# Allegro board reServer J2032_V1.brd (continued)
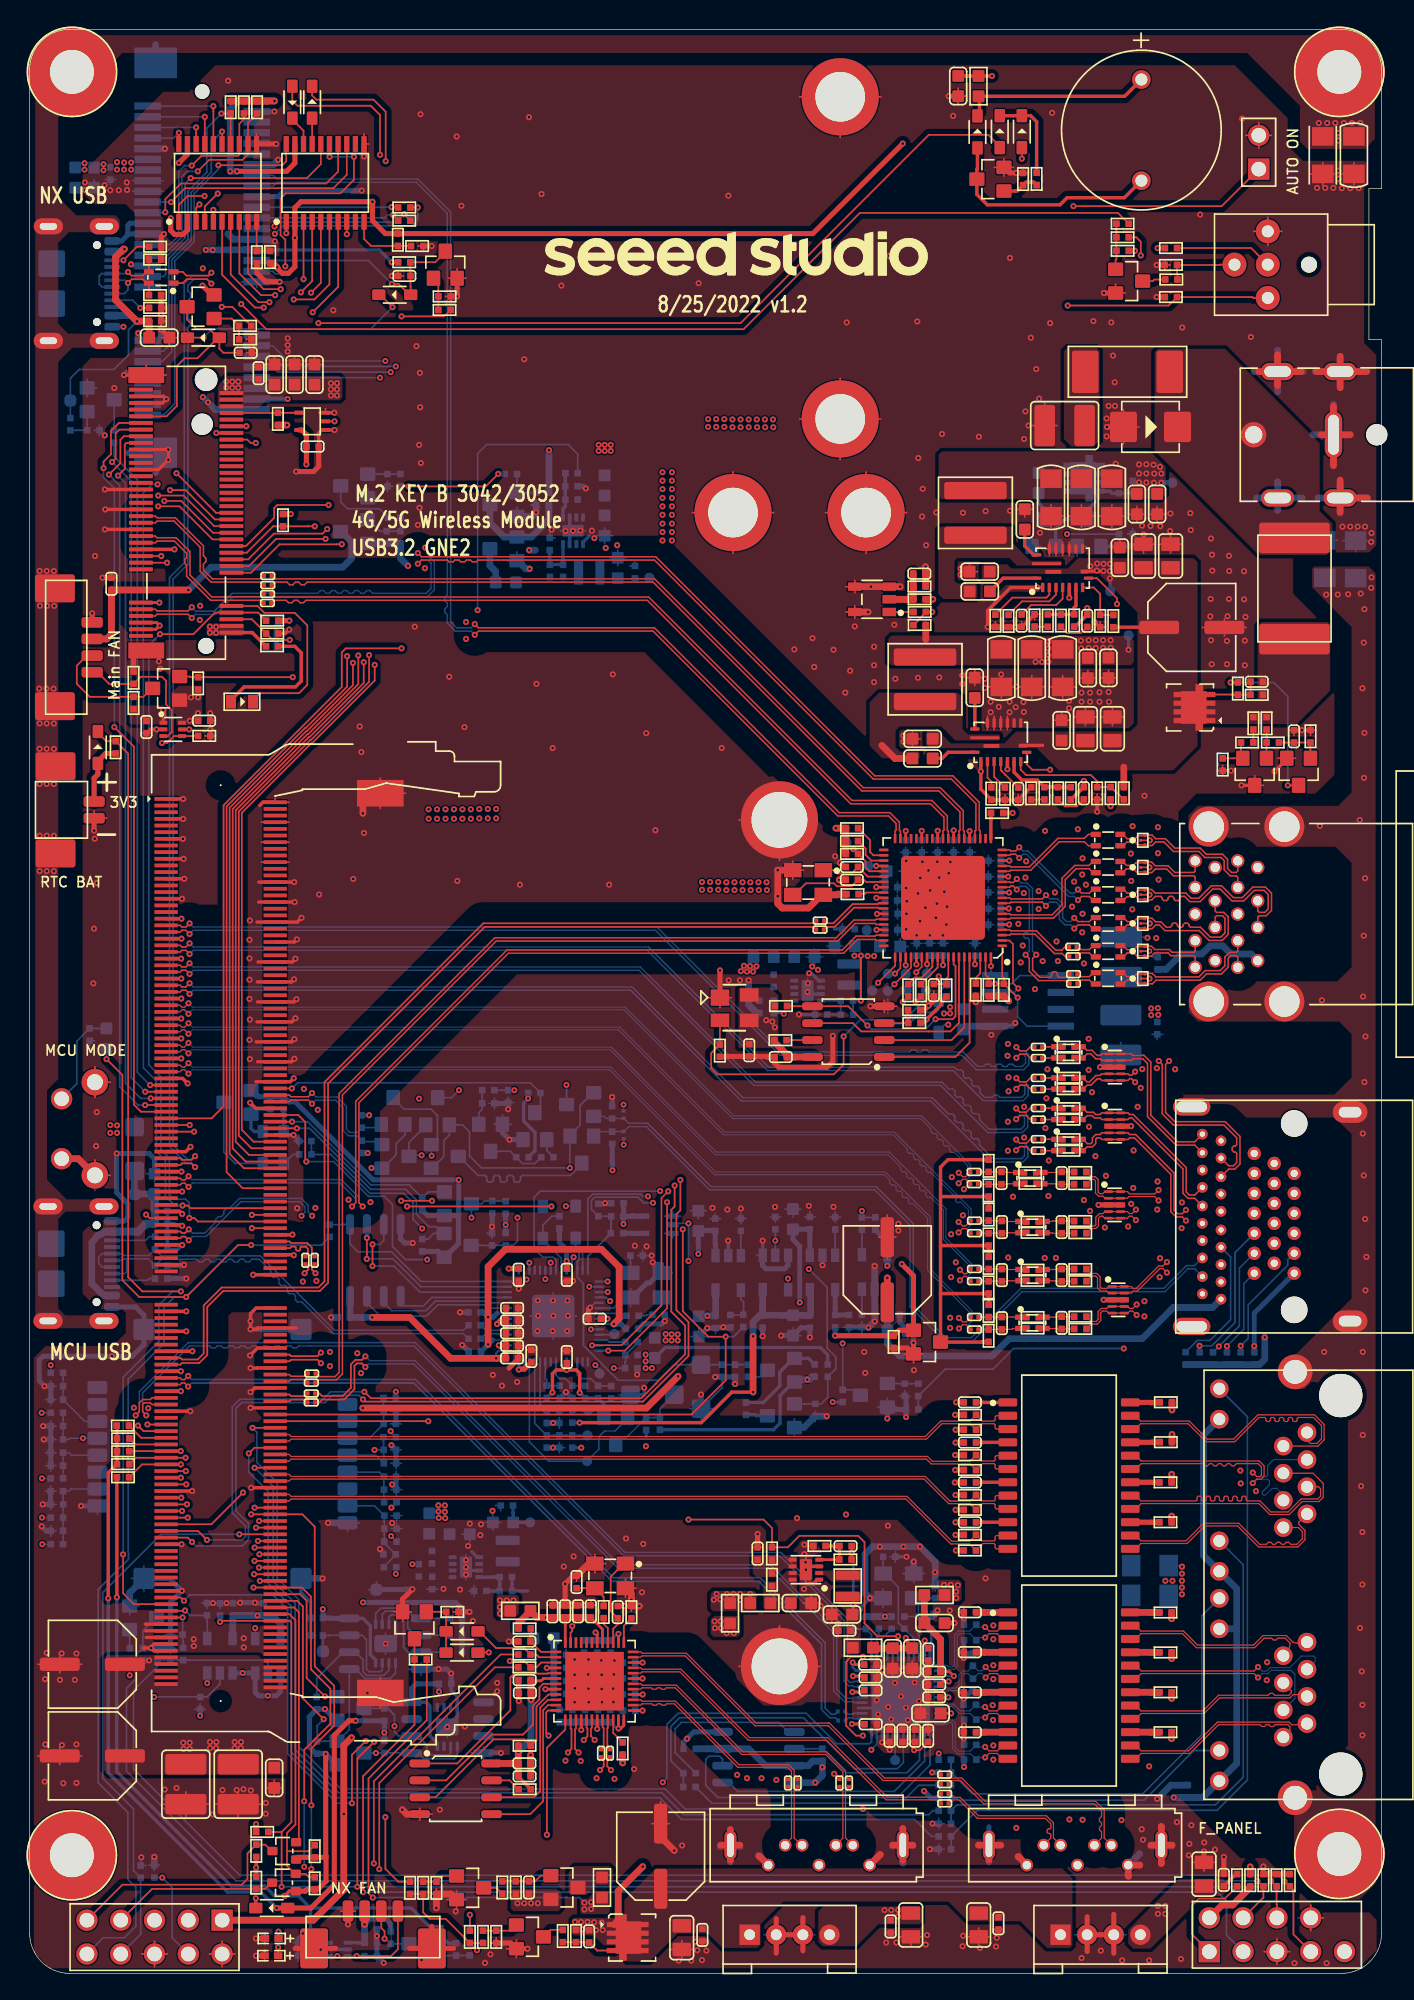
[diagram p0: board, top side]
## Routing (per net, layer and track width the routed paths; a pad name or vN(x,y) marks a point on that pad's centre or on a via; arc(x,y) is an arc through that point) (continued)
VBUSDET: length 4
  TOP w0.127: U17.43 63.79,82.8 63.79,82.8 63.11,82.8 62.82,83.09 62.82,83.54 R116.2 62.26,84.11 v1(61.91,84.46)
  BOTTOM w0.127: v1(61.91,84.46) 61.91,84.46 TP9.1
VDD09: length 16.8
  TOP w0.127: C90.1 66.91,16.77 v1(66.47,16.77)
  TOP w0.203: C102.1 62.02,23.2 v1(61.86,23.36) ; C97.1 67.27,24.7 v1(67.27,25) ; v1(65.85,25.2) 65.85,24.98 66.07,24.76 66.07,24.69 C100.1 ; C92.1 68.68,21.94 v1(69.06,21.94) ; C91.1 62.71,18.72 62.69,18.74 v1(61.8,18.74) ; C96.1 68.47,19.54 v1(69.25,19.54)
  TOP w0.508: FB7.2 63.44,24.42 64.02,24.42 64.03,24.43 C101.1 C100.1 66.35,24.41
  BOTTOM w0.127: U16.28 66.47,18.03 v1(66.47,16.77)
  BOTTOM w0.203: U16.8 66.07,24.98 v1(65.85,25.2) ; U16.11 v1(67.27,25) ; U16.16 v1(69.06,21.94) ; U16.47 62.1,22.74 61.86,22.98 v1(61.86,23.36) ; U16.22 v1(69.25,19.54) ; U16.37 v1(61.8,18.74)
VDD_0V95: length 5.9
  TOP w0.203: R42.1 61.77,31.57 v1(61.78,31.58) C46.1 ; v1(61.9,27.68) 61.89,27.67 61.89,27.04 C50.1
  TOP w0.508: 61.9,26.97 61.89,26.97 C50.1 61.83,26.95 61.87,26.95
  BOTTOM w0.203: v1(61.9,27.68) TP6.1 61.9,31.04 61.78,31.16 v1(61.78,31.58)
VDD_1V05: length 20.5
  TOP w0.152: U17.14 v1(73.54,82.4) ; U17.27 v1(69.44,85.87) ; v1(62.47,73.08) v1(62.47,76.46) ; U17.30 v1(68.24,85.84) ; U17.51 v1(63.68,79.6) ; U17.8 v1(73.58,80) ; U17.67 v1(68.64,75.75) ; U17.48 v1(63.64,80.8) ; U17.33 v1(67.04,85.83) ; U17.5 v1(73.61,78.8) ; U17.36 v1(65.84,85.83) ; U17.54 v1(63.65,78.4) ; U17.11 v1(73.61,81.2)
  BOTTOM w0.152: C134.1 68.24,85.15 v1(68.24,85.84) ; v1(63.65,78.4) 64.29,78.4 C131.1 ; C142.1 72.99,80 v1(73.58,80) ; v1(63.64,80.8) 64.09,80.8 C143.1 ; v1(63.68,79.6) 64.29,79.6 C132.1 ; C136.1 69.44,85.15 v1(69.44,85.87) ; v1(73.61,78.8) 72.99,78.8 C141.1 ; C39.1 61.88,72.63 61.88,72.63 R35.1 v1(62.47,73.08) ; C139.1 72.98,82.4 v1(73.54,82.4) ; v1(65.84,85.83) 65.84,85.15 C138.1 ; v1(67.04,85.83) 67.04,85.15 C133.1 ; C140.1 72.98,81.2 v1(73.61,81.2)
  BOTTOM w0.254: v1(68.64,75.75) 68.64,75.75 C137.1
  BOTTOM w0.508: C135.1 68.63,76.47 C137.1
  vias: v1(61.99,76.46) v1(62.98,76.44) v1(63.46,76.44)
VDD_1V8: length 261.1
  TOP w0.254: v1(19.16,5.82) 19.52,6.18 Q36.1 ; R216.1 v1(6.55,28.25)
  TOP w0.381: 22.27,8.8 22.25,8.82 v1(22.25,16.49) ; 22.27,8.8 22.19,8.72 R254.1 20.19,8.72 Q37.1 ; 22.27,8.8 22.27,6.93 21.65,6.3 R255.1 20.85,6.3 20.75,6.2 20.73,6.2 20.7,6.18 Q36.1 ; v1(65.62,137.47) 58.86,130.71 R222.1 26.73,130.71 25.77,131.67 v1(25.77,133.1) 20.38,133.1 19.93,132.65 U27.2 v1(19.93,130.39) 19.93,128.22 19.43,127.72 18.99,127.72 18.68,128.03 18.68,128.07 v1(18.58,128.18) ; v1(20.8,113.37) C86.1 20.8,115.39 20.79,115.4 20.79,115.6 20.43,115.96 U14.5 ; v1(10.6,131.86) 10.6,130.93 10.89,130.64 11.52,130.64 11.86,130.98 11.86,131.26 U26.2 ; v1(83.07,129.42) R81.1 ; v1(19.52,101.63) 19.51,101.63 18.69,101.63 R218.1 ; R219.1 v1(19.62,109.64)
  TOP w0.508: v1(18.58,128.18) 18.27,128.49 R221.1 ; v1(48.73,44.86) 46.35,42.48 v1(25.03,42.48)
  LYR3 w0.381: v1(65.62,137.47) 79.82,137.47 81.95,135.34 81.95,130.54 v1(83.07,129.42) ; v1(10.6,131.86) 13.42,134.68 25.23,134.68 25.77,134.14 v1(25.77,133.1) ; v1(29.27,65.72) 29.85,65.72 29.87,65.73 v1(37.46,65.73)
  LYR3 w0.508: v1(60.35,42.92) 60.35,44.34 59.13,45.56 49.43,45.56 v1(48.73,44.86)
  BOTTOM w0.254: R195.1 37.98,61.82 37.98,63.18 37.12,64.04 37.12,65.39 v1(37.46,65.73) ; U34.8 26,23.55 25.6,23.95 25.6,26.12 25.05,26.67 U30.8 ; 30.6,3.11 31.45,2.26 R283.1 ; 21.11,4.91 20.2,5.82 v1(19.16,5.82) 18.4,5.82 17.66,6.56 15.15,6.56 6.55,15.16 6.55,25.93 6.55,26.16 6.55,26.42 6.55,26.55 v1(6.55,28.25) ; 21.11,4.91 28.67,4.91 30.47,3.11 ; 21.11,4.91 C284.1 21.61,2.31 21.62,2.3 U33.6 ; R181.1 v1(60.35,42.92)
  BOTTOM w0.381: v1(25.05,27.87) 32.01,27.87 32.5,27.39 R251.1 32.5,26.06 R250.1 32.5,24.82 32.5,24.81 R249.1 ; 30.47,3.11 Q40.1 30.6,3.11 ; U30.8 22.64,26.67 22.6,26.7 C261.1 v1(22.03,27.36) ; 22.2,19.84 R247.1 21.02,19.28 21.02,17 21.5,16.51 R245.1 22.23,16.51 v1(22.25,16.49) 23.07,15.67 Q34.1 ; 22.2,19.84 23.03,19.01 Q35.1 ; 22.2,19.84 v1(22.2,19.86) ; R194.1 v1(37.46,65.73) ; 18.53,99.5 18.53,101.18 18.98,101.63 v1(19.52,101.63)
  BOTTOM w0.508: 38.01,106.93 v1(37.54,106.93)
  vias: v1(12.02,94.11) v1(12.13,95.87) v1(12.66,95.87) v1(12.65,94.69) v1(29.98,87.46) v1(29.98,86.75) v1(30.62,87.46) v1(30.62,86.75) v1(31.25,87.46) v1(31.25,86.75) v1(31.89,87.46) v1(31.89,86.75) v1(32.52,87.46) v1(32.52,86.75) v1(33.16,87.46) v1(33.16,86.75) v1(33.79,87.48) v1(33.79,86.77) v1(34.43,87.48) v1(34.43,86.77) v1(35.06,87.48) v1(35.06,86.77) v1(47.56,112.78) v1(47.56,112.15) v1(47.56,111.51) v1(47.56,110.85) v1(47.56,110.22) v1(47.56,109.58) v1(47.56,108.92) v1(47.56,108.29) v1(47.56,107.65) v1(48.27,112.78) v1(48.27,112.15) v1(48.27,111.51) v1(48.27,110.85) v1(48.27,110.22) v1(48.27,109.58) v1(48.27,108.92) v1(48.27,108.29) v1(48.27,107.65)
VDD_1V25: length 4.8
  BOTTOM w0.254: R34.1 36.25,29.24 36.25,29.23 C34.1 37.43,28.72 ; C41.1 36.32,34.6 36.34,34.58 C40.1 TP4.1
VDD_3V3: length 145.9
  TOP w0.152: U17.17 v1(73.62,83.6) ; U17.73 v1(71.04,75.81) ; U17.24 v1(70.64,85.81) ; U17.46 v1(63.62,81.6) ; U17.62 v1(66.64,75.81)
  TOP w0.254: R87.1 6.56,41.13 R88.1 R89.1 6.56,38.26 ; v1(5.9,28.18) 5.9,37.6 R90.1 ; R263.1 68.49,72.98 68.49,72.76 v1(67.4,71.67) 67.13,71.41 R128.1 ; J15.2 16.72,100.74 R217.2 ; R120.1 v1(73.87,87.18) ; R227.1 v1(27.21,128.56)
  TOP w0.381: U26.19 11.86,136.67 v1(11.21,136.02) ; U27.19 19.93,136.01 19.31,135.39 v1(15.58,135.39) ; v1(24.5,18.98) 23.99,18.98 22.9,17.89 22.9,6.66 21.14,4.91 D61.1 v1(18.56,4.91) ; 6.56,38.26 R90.1
  TOP w0.508: U18.8 57.55,68.85 57.54,68.84 C123.1 56.91,69.02 55.96,69.98 R127.1 ; v1(73.58,73.06) R118.1 73.21,73.43 R119.1 ; R93.1 v1(19.34,116.33) ; R116.1 61.34,84.2 61.32,84.22 61.32,84.71 61.34,84.73 61.34,85.07 R117.1 61.34,85.08 R121.1 v1(60.59,86.04) ; R288.1 15.11,140.66 R289.1 16.1,140.66 R290.1 17.82,140.66 17.83,140.67 v1(18.4,140.67)
  BOTTOM w0.152: v1(63.62,81.6) 64.28,81.6 C126.1 ; C129.1 72.99,83.6 v1(73.62,83.6) ; v1(71.04,75.81) 71.04,76.45 C127.1 ; C128.1 70.64,85.16 v1(70.64,85.81) ; C125.1 66.64,76.44 v1(66.64,75.81)
  BOTTOM w0.254: U29.8 30.63,17.29 30.08,17.84 30.08,20.1 29.83,20.35 29.8,20.35 29.79,20.37 29.18,20.37 ; J16.24 26.28,129.49 v1(27.21,128.56) ; R61.1 v1(41.45,39.5) ; v1(5.9,28.18) 5.9,15.07 14.87,6.11 17.36,6.11 v1(18.56,4.91)
  BOTTOM w0.381: R262.1 64.46,54.96 U24.5 ; 26.66,18.41 R248.1 25.01,18.98 25,18.98 v1(24.5,18.98) ; 26.66,18.41 v1(26.66,18.09) ; 26.66,18.41 26.65,18.41 R246.1 ; v1(30.75,21.17) C260.1 29.05,21.76 28.7,21.41 U28.8 29.18,20.37 ; 17.08,140.67 J16.52
  BOTTOM w0.508: U22.5 51.55,49.4 C201.1 v1(50.94,49.4) 50.37,49.4 50.34,49.36 C200.1 ; U24.5 v1(64.46,53.16) ; J16.2 13.95,117.49 v1(13.41,118.03) v1(13.01,118.42) ; R46.1 v1(39.02,114.43) ; J16.24 v1(13.75,129.49) v1(13.23,129.49) ; C124.1 64.29,82.69 C126.1 ; v1(15.58,135.39) v1(15.07,135.39) 15.07,140.08 15.68,140.69 J16.52 18.38,140.69 v1(18.4,140.67)
  vias: v1(4.12,136) v1(4.12,135.52) v1(5.55,135.92) v1(5.55,135.47) v1(6.56,136.08) v1(6.56,135.52) v1(7.1,136.05) v1(7.1,135.52) v1(7.63,136.05) v1(7.63,135.52) v1(13.54,101.18) v1(13.54,100.73) v1(14.01,101.18) v1(14.01,100.72) v1(14.77,119.59) v1(14.77,119.13) v1(15.22,119.59) v1(15.22,119.13) v1(15.68,119.59) v1(15.68,119.13) v1(22.64,119.46) v1(22.64,119.01) v1(22.64,118.55) v1(23.1,119.46) v1(23.1,119.01) v1(23.1,118.55) v1(30.72,35.16) v1(30.72,34.7) v1(30.74,34.22) v1(31.2,35.16) v1(31.2,34.68) v1(31.23,34.2) v1(35.34,28.02) v1(35.34,27.52) v1(35.37,27.03) v1(35.85,28.02) v1(36.36,28.02) v1(42.76,114.84) v1(42.76,114.38) v1(43.22,114.84) v1(43.22,114.38) v1(43.67,114.84) v1(43.67,114.38) v1(50.53,82) v1(50.53,81.41) v1(50.99,116.77) v1(50.99,116.19) v1(51.14,82) v1(51.14,81.41) v1(51.42,28.07) v1(51.6,116.77) v1(51.6,116.19) v1(51.62,28.51) v1(51.75,82) v1(51.75,81.41) v1(51.9,28.1) v1(52.21,116.77) v1(52.21,116.19) v1(52.36,81.97) v1(52.36,81.39) v1(52.38,28.51) v1(52.82,116.75) v1(52.82,116.16) v1(52.97,81.97) v1(52.97,81.39) v1(52.89,28.51) v1(53.38,28.05) v1(53.43,116.75) v1(53.43,116.16) v1(53.45,75.29) v1(53.4,28.51) v1(53.58,81.97) v1(53.58,81.39) v1(53.68,75.7) v1(53.91,75.27) v1(54.04,116.75) v1(54.04,116.16) v1(54.16,81.97) v1(54.14,75.67) v1(54.16,28.51) v1(54.19,81.39) v1(54.37,75.27) v1(54.65,116.75) v1(54.67,116.16) v1(54.62,75.66) v1(54.77,81.97) v1(54.8,81.39) v1(55.25,116.75) v1(55.28,116.16) v1(55.38,81.97) v1(55.36,71.61) v1(55.41,81.39) v1(55.86,116.75) v1(55.81,71.51) v1(55.89,116.16) v1(56,71.08) v1(68.72,29.19) v1(69.22,29.19) v1(69.63,28.68) v1(69.63,28.2) v1(69.76,29.17)
VDD_3V3_DP: length 61.4
  TOP w0.508: C223.1 64.45,52.25 v1(64.46,52.25)
  LYR3 w0.381: v1(43.8,60.33) 43.8,57.93 48.87,52.86 57.52,52.86 58.13,52.25 v1(64.46,52.25)
  BOTTOM w0.381: R189.1 43.77,60.99 43.8,60.97 v1(43.8,60.33) ; U24.1 v1(64.46,52.25)
  BOTTOM w0.508: J13.B20 88.91,50.03 85.95,50.03 83.6,47.68 73.62,47.68 72.32,46.39 65.39,46.39 64.46,47.31 C221.1 64.47,48.27 C222.1 64.47,50.12 64.46,50.13 U24.1
VDD_3V3_HDMI: length 85
  TOP w0.381: v1(65.54,53.3) 66.42,52.41 Q21.1 65.34,48.32 R187.1 v1(60.53,47.91)
  LYR3 w0.381: v1(65.54,53.3) 64.78,54.06 v1(50.25,54.06) 48.7,54.06 44.89,57.87 44.89,60.38 44.08,61.2 33.81,61.2 v1(32.24,59.62)
  BOTTOM w0.381: R148.1 30.71,54.25 Q18.1 31.21,53.81 32.22,54.82 32.22,56.91 ; 32.22,56.91 32.24,56.94 v1(32.24,59.62) 25.81,59.62 19.97,65.47 19.47,65.47 R164.1 R163.1 17.24,65.86 17.19,65.92 17.04,65.92 Q20.1 ; 32.22,56.91 32.2,56.93 Q19.1 29.91,56.93 R149.1 ; v1(50.25,54.06) 50.25,55.01 50.25,55.01 C204.1 50.3,55.77 50.36,55.83 51.47,55.83 C205.1 51.52,54.78 51.55,54.75 U22.1 ; R154.1 60.53,48.53 v1(60.53,47.91)
VDD_5V: length 194.4
  TOP w0.254: C11.2 v1(79.23,89.59) ; C11.2 78.66,88.61 ; C11.2 R10.2 ; v1(84.77,129.62) 85.31,129.62 R80.1 ; v1(54.37,43.67) 52.77,43.67 50.47,41.38 v1(41.33,41.38) ; U13.1 v1(10.05,94.47)
  TOP w0.381: v1(17.01,11.21) R92.1 ; v1(10.05,94.47) 10.05,94.92 v1(10.04,94.93)
  TOP w0.508: v1(25.17,3.68) 25.17,4.67 J22.3 ; v1(54.37,47.86) v1(54.37,43.67) ; R8.1 67.35,100.24 67.35,100.24 ; R79.1 v1(91.73,8.01)
  LYR3 w0.254: v1(79.23,89.59) 79.23,90.7 82.59,94.06 v1(82.59,99.45) 82.59,127.44 v1(84.77,129.62)
  LYR3 w0.508: v1(91.73,8.01) 90.23,6.51 45.35,6.51 44.28,7.58 ; 44.28,7.58 50.07,13.37 50.07,33.59 54.37,37.88 v1(54.37,43.67) ; 44.28,7.58 38.97,7.58 v1(36.66,5.26) 35.07,3.68 v1(25.17,3.68)
  BOTTOM w0.254: C283.1 24.67,2.3 24.66,2.3 U33.1 ; R62.1 v1(41.33,41.38) ; v1(82.59,99.45) 82.59,100.52 TP2.1
  BOTTOM w0.381: R284.1 27.13,3.73 26.78,4.07 25.56,4.07 v1(25.17,3.68) ; R291.1 v1(8.98,23.51)
  BOTTOM w0.508: U25.5 55.09,50.08 55.08,50.08 C234.2 ; C234.2 54.87,49.45 54.37,48.94 v1(54.37,47.86) ; C234.2 56.54,49.45 56.55,49.44 C202.1 58.36,49.44 58.37,49.43 C203.1 58.69,49.49 58.69,51.3 U23.5 ; v1(25.17,3.68) C282.1 25.17,3.29 C283.1
  vias: v1(11.54,17.33) v1(11.57,16.87) v1(12.02,17.33) v1(12.02,16.87) v1(13.55,17.38) v1(13.55,16.92) v1(14.03,17.38) v1(14.01,16.92) v1(15.4,17.38) v1(15.4,16.92) v1(15.86,16.92) v1(15.88,17.38) v1(37.17,5.26) v1(37.68,5.26) v1(38.19,5.26) v1(68.72,72.12) v1(69.17,72.6) v1(69.17,72.13) v1(75.6,98.53) v1(76.08,98.53) v1(76.57,100.06) v1(76.57,99.55) v1(76.57,99.04) v1(76.57,98.53) v1(79,100.13) v1(79.02,99.55) v1(79.59,100.16) v1(79.59,99.58) v1(80.12,100.16) v1(80.12,99.58) v1(80.68,100.16) v1(80.68,99.59) v1(81.24,100.16) v1(81.24,99.6)
VDD_5V_HDMI: length 79.2
  LYR3 w0.381: v1(35.77,56.24) 36.31,55.71 41.11,55.71 46.42,50.4 v1(57.87,50.4) 76.97,50.4 82.04,45.33 90.24,45.33 v1(92.03,47.13)
  BOTTOM w0.381: R151.1 35.77,56.2 35.77,56.19 ; U23.1 58.63,55.34 58.63,55.34 C207.1 57.37,55.9 C206.1 57.36,55.14 57.87,54.63 v1(57.87,50.4) ; v1(35.77,56.24) 35.77,56.19 ; 35.77,56.19 R150.1 ; J13.A18 92.03,49.6 v1(92.03,47.13) D35.2
VDD_12V: length 73.2
  TOP w0.254: R18.1 84.42,101.14
  TOP w0.508: R4.1 v1(67.88,103.23) ; R9.1 82.23,90.63 ; v1(46.07,8.02) 44.23,6.18 44.23,4.03 44.22,4.02 44.22,3.97 Q14.1
  LYR3 w0.508: v1(46.07,8.02) 50.92,12.87 50.92,33.14 55.36,37.57 55.36,43.52 56.45,44.61 v1(58.45,44.61)
  BOTTOM w0.254: Q8.2 57.41,44.43 56.4,43.42 56.4,41.33 55.9,40.84 R275.1 ; TP1.1 81.2,104.79 v1(81.19,104.81)
  BOTTOM w0.508: 58.59,44.61 58.81,44.83 R65.1 ; 58.59,44.61 57.65,44.61 Q8.2 ; 58.59,44.61 v1(58.45,44.61) ; Q42.2 26.82,107.43 R293.1 27.87,107.43 C285.1 27.87,106.31 v1(28.43,105.75)
  vias: v1(6.05,63.74) v1(6.05,63.15) v1(6.56,63.71) v1(6.56,63.15) v1(40.98,3.87) v1(41.44,3.87) v1(41.56,3.31) v1(41.92,3.87) v1(42.43,3.84) v1(42.55,3.26) v1(42.99,3.82) v1(43.06,3.26) v1(79.71,105.72) v1(80.22,105.92) v1(80.2,105.39) v1(80.71,105.9) v1(80.71,105.37) v1(81.19,105.9) v1(81.19,105.34)
B_HUB_USB1_DM: length 16.4
  TOP w0.109: J8.2 92.29,79.35 92.4,79.46 92.93,79.46 93.33,79.86 93.33,81.16 92.87,81.61 91.93,81.61 91.14,80.82 90.46,80.82 89.58,81.71 88.81,81.71 87.87,80.77 87.29,80.77 86.9,81.16 84.59,81.16 84.32,81.43 84,81.43 83.94,81.38 D29.3 83.31,81.38 83.09,81.16 82.49,81.16 82.19,81.46 L10.2
B_HUB_USB1_DP: length 16.3
  TOP w0.109: J8.3 92.29,79.82 92.4,79.71 92.82,79.71 93.08,79.97 93.08,81.05 92.77,81.36 92.03,81.36 91.24,80.58 90.36,80.58 89.47,81.46 88.91,81.46 87.97,80.53 87.18,80.53 86.79,80.91 86.54,80.91 86.43,80.81 86.43,80.71 86.32,80.6 86.11,80.6 86,80.71 86,80.81 85.89,80.91 85.67,80.91 85.56,80.81 85.56,80.71 85.45,80.6 85.23,80.6 85.12,80.71 85.12,80.81 85.01,80.91 84.59,80.91 84.32,80.65 84,80.65 83.94,80.7 D29.2 83.34,80.7 83.14,80.89 82.47,80.89 82.19,80.61 L10.3
B_USBA2_SS_RX_N: length 11.4
  TOP w0.109: J8.5 90.79,82.82 90.69,82.71 90.33,82.71 90.03,83.02 90.03,83.7 89.65,84.08 88.43,84.08 87.97,84.54 86.06,84.54 85.35,85.25 84.62,85.25 84.35,85.52 83.94,85.52 83.89,85.47 D30.3 83.29,85.47 83.07,85.25 82.48,85.25 82.16,85.57 L11.2
B_USBA2_SS_RX_P: length 11.4
  TOP w0.109: J8.6 90.79,82.35 90.69,82.46 90.23,82.46 89.78,82.91 89.78,83.6 89.54,83.83 88.32,83.83 87.87,84.29 85.96,84.29 85.25,85 84.62,85 84.35,84.73 83.94,84.73 83.89,84.79 D30.2 83.28,84.79 83.07,85 82.46,85 82.18,84.72 L11.3
B_USBA2_SS_TX_N: length 11.1
  TOP w0.109: J8.8 90.79,76.82 90.69,76.71 90.17,76.71 89.82,76.36 89.82,75.7 89.47,75.34 88.35,75.34 87.88,74.87 84.64,74.87 84.37,75.13 83.96,75.13 83.91,75.08 D31.3 83.18,75.08 82.99,74.88 82.46,74.88 82.16,75.18 L12.2
B_USBA2_SS_TX_P: length 11.1
  TOP w0.109: J8.9 90.79,76.35 90.69,76.46 90.28,76.46 90.07,76.26 90.07,75.59 89.57,75.09 88.45,75.09 87.98,74.62 84.65,74.62 84.38,74.35 83.96,74.35 83.91,74.4 D31.2 83.22,74.4 82.99,74.63 82.48,74.63 82.18,74.33 L12.3
BBAT_CONN: length 5.2
  TOP w0.127: 4.84,89.8 4.84,89.93 5.12,90.21
  TOP w0.381: J19.1 4.84,89.8 5.12,90.09 D18.1 5.12,91.06 5.72,91.65 R91.2
BMCU_ACOK: length 124.1
  TOP w0.127: J21.1 89.59,132.77 v1(78.44,132.77)
  LYR3 w0.121: 69.76,87.94 69.76,76.31 68.74,75.29 67.22,75.29 65.06,73.13
  LYR3 w0.127: v1(78.44,132.77) 78.44,109.2 76.84,107.6 76.84,102.67 75.12,100.95 75.12,93.3 69.76,87.94 ; v1(46.85,57.89) 46.87,57.92 46.87,59.01 47.89,60.03 61.83,60.03 65.06,63.25 65.06,73.13
  BOTTOM w0.121: R50.2 43.26,56.88 43.25,56.89 C69.1
  BOTTOM w0.127: v1(46.85,57.89) 46.14,57.89 45.71,58.32 42.47,58.32 42.22,58.07 42.22,57.4 C69.1
  BOTTOM w0.152: U10.14 41.95,53.88 R52.2 43.68,56.06 43.7,56.08 R50.2
BUZZER_EN: length 155
  TOP w0.127: J5.211 13.65,33.74 v1(16.04,36.13) ; v1(21.7,123.98) 53.43,123.98 67.57,138.13 72.04,138.13 72.91,137.27 D9.1 72.88,137.17 72.68,136.97
  LYR3 w0.127: v1(16.04,36.13) 15.83,36.33 15.83,82.81 20.61,87.59 20.61,112.07 21.7,113.16 v1(21.7,123.98)
CAM_I2C_SCL: length 95.7
  TOP w0.127: v1(66.58,73.02) 66.6,73.02 66.97,73.4 R124.1 ; v1(25.16,43.7) 25.64,43.21 45.96,43.21 47.05,44.3 47.05,44.3 49.26,46.51 49.26,48.67 48.22,49.71 48.22,57.36 48.47,57.61 v1(48.47,59.19) ; v1(13.32,32.57) 12.65,33.24 J5.213
  LYR3 w0.127: v1(66.58,73.02) 66.58,63.58 62.19,59.19 v1(48.47,59.19)
  BOTTOM w0.127: v1(25.16,43.7) 22.62,43.7 22.06,43.14 15.81,43.14 15.22,42.55 15.22,34.6 16.21,33.61 16.21,32.82 15.96,32.57 v1(13.32,32.57)
CAM_I2C_SDA: length 95.2
  TOP w0.127: v1(48.9,59.61) 48.9,57.33 48.6,57.03 48.6,49.84 49.51,48.93 49.51,46.39 46.09,42.96 25.22,42.96 v1(25.05,43.12) ; v1(12.2,32.42) 11.88,32.74 J5.215 ; R123.1 66.02,73.39 v1(65.62,72.98)
  LYR3 w0.127: v1(48.9,59.61) 62.03,59.61 65.62,63.2 v1(65.62,72.98)
  BOTTOM w0.127: v1(12.2,32.42) 12.51,32.11 15.99,32.11 16.44,32.57 16.44,33.81 15.5,34.75 15.5,42.45 15.94,42.89 16.76,42.89 16.77,42.88 22.21,42.88 22.76,43.43 24.74,43.43 v1(25.05,43.12)
DC_3V3_OUT: length 57.9
  TOP w0.254: R19.2 78.58,101.18 C25.2 v1(79.48,102.57) ; v1(72.32,142.55) R73.1 70.61,142.55 70.6,142.56 C78.1
  LYR3 w0.254: v1(79.48,102.57) 80.58,102.57 81.62,103.61 v1(81.62,113.42) ; v1(83.92,112.69) v1(83.92,113.37) 83.92,126.19 85.48,127.74 85.48,136.71 79.64,142.55 v1(72.32,142.55)
  BOTTOM w0.254: 83.97,112.74 v1(83.92,112.69)
  BOTTOM w0.381: v1(85.05,112) 85.86,112 TP3.1
  vias: v1(47.79,48.03) v1(47.79,47.56) v1(48.24,48.01) v1(48.24,47.56) v1(48.7,48.01) v1(48.7,47.56) v1(83.37,113.37) v1(83.37,112.68) v1(83.37,112.02) v1(83.92,112.01) v1(84.46,113.34) v1(84.52,112.68) v1(84.49,112) v1(84.95,113.19) v1(85.05,112.68)
DC_5V_LX: length 2.7
  TOP w0.508: C8.2 65.02,91.28 64.04,92.26
DEBUG_UART2_RXD: length 12.5
  TOP w0.127: J2.7 9.2,6.35 R256.2 17.69,6.35 18.16,6.81 Q36.3
DEBUG_UART2_TXD: length 17.6
  TOP w0.127: J2.9 6.97,6.66 15.94,6.66 16.37,7.09 16.37,9.01 R257.2 17.71,9.67 18.18,9.19 Q37.3
DP0_AUX_N: length 10.6
  TOP w0.109: v1(21.22,66.14) 20.94,65.86 19.63,65.86 19.51,65.99 J5.90
  BOTTOM w0.109: v1(21.22,66.14) 21.51,65.84 23.09,65.84 23.8,65.13 23.8,63.43 24.06,63.18 24.59,63.18 R188.2 26.19,63.54 Q23.2
DP0_AUX_N_CNN: length 58.8
  BOTTOM w0.109: J13.B17 87.56,52.93 87.04,52.93 85.33,51.22 74.59,51.22 70.88,47.51 68.75,47.51 66.16,50.09 66.16,56.22 63.51,58.86 51.11,58.86 46.35,63.62 45.03,63.62 44.66,63.26 C220.2 44.63,63.24 R189.2 42.72,63.24 Q25.2
DP0_AUX_P: length 10.7
  TOP w0.109: v1(21.22,65.34) 20.94,65.61 19.63,65.61 19.51,65.49 J5.92
  BOTTOM w0.109: Q26.2 26.25,62.49 25.02,62.49 R192.2 24.59,62.93 23.96,62.93 23.56,63.33 23.56,65.03 22.99,65.59 21.47,65.59 v1(21.22,65.34)
DP0_AUX_P_CNN: length 58.7
  BOTTOM w0.109: Q28.2 43.18,64.39 43.34,64.23 R193.1 44.62,64.23 C224.2 44.65,64.24 45.02,63.87 46.45,63.87 51.21,59.11 63.61,59.11 66.41,56.32 66.41,50.2 68.85,47.75 70.77,47.75 74.49,51.47 85.23,51.47 86.94,53.18 87.56,53.18 J13.B15
DP0_AUX_Q_N: length 12.4
  BOTTOM w0.127: Q24.3 32.27,61.38 33.7,59.95 34.22,59.95 34.34,59.82 34.34,59.57 34.47,59.44 34.72,59.44 34.85,59.57 34.85,59.82 34.98,59.95 35.23,59.95 35.36,59.82 35.36,59.57 35.49,59.44 35.74,59.44 35.87,59.57 35.87,59.82 35.99,59.95 36.25,59.95 36.37,59.82 36.37,59.57 36.5,59.44 36.76,59.44 36.88,59.57 36.88,59.82 37.01,59.95 40.63,59.95 41.49,60.81 Q25.3
DP0_AUX_Q_P: length 11.6
  LYR3 w0.127: v1(40.34,66.75) 32.67,66.75 v1(32.27,66.35)
  BOTTOM w0.127: Q27.3 30.67,65.79 31.71,65.79 v1(32.27,66.35) ; v1(40.34,66.75) 40.35,66.75 Q28.3
DP0_AUX_R_N: length 25.9
  LYR3 w0.089: v1(30.21,61.43) 30.15,61.43 29.92,61.7 29.92,63.04 30.55,63.67 31.82,63.67 31.99,63.51 32.18,63.51 32.35,63.67 32.54,63.67 32.7,63.51 32.89,63.51 33.06,63.67 44.24,63.67 44.64,63.27 v1(44.64,62.26)
  BOTTOM w0.109: v1(30.21,61.43) 30.21,61.47 30.18,61.51 Q24.2 ; C220.1 v1(44.64,62.26)
  BOTTOM w0.127: Q23.3 27.31,65.75 28.13,64.93 30.16,64.93 30.64,64.45 30.64,62.52 30.39,62.27 Q24.2
DP0_AUX_R_P: length 22.5
  LYR3 w0.089: v1(44.63,65.27) 44.63,64.26 44.23,63.86 30.47,63.86 29.73,63.12 29.73,61.7 v1(29.46,61.46)
  BOTTOM w0.109: C224.1 v1(44.63,65.27) ; v1(29.46,61.46) 29.44,61.48 28.6,61.48 Q26.3
  BOTTOM w0.127: Q26.3 28.5,62.42 29.77,63.69 Q27.2
DP0_HPD: length 22.1
  TOP w0.121: J5.88 v1(19.7,66.49)
  BOTTOM w0.121: Q29.3 38.39,65.09 R194.2 37.63,66.91 20.13,66.91 v1(19.7,66.49)
DP0_HPD_CON: length 65.5
  LYR3 w0.127: J13.B18 89.28,51.7 81.77,51.7 78.85,54.62 48.9,54.62 46.01,57.51 46.01,65.51 45.17,66.35 v1(36.43,66.35)
  BOTTOM w0.127: R198.2 35.52,66.35 35.52,66.35 C228.1 35.96,66.35 v1(36.43,66.35)
DP0_TXD0_N: length 73
  TOP w0.109: J5.39 11.31,78.74 11.43,78.61 11.74,78.61 v1(12.01,78.89) ; C226.1 75.21,68.77 74.91,69.07 74.43,69.07 v1(74.15,68.79)
  BOTTOM w0.109: v1(12.01,78.89) 12.29,78.61 47.13,78.61 56.52,69.22 66.13,69.22 66.28,69.37 66.57,69.37 66.72,69.22 67,69.22 67.15,69.37 67.44,69.37 67.59,69.22 70.16,69.22 71.25,68.14 71.69,68.14 71.86,68.31 72.12,68.31 72.29,68.14 72.56,68.14 72.73,68.31 73,68.31 73.17,68.14 73.43,68.14 73.6,68.31 73.87,68.31 74.04,68.14 74.6,68.14 74.84,68.39 74.84,68.89 74.67,69.07 74.43,69.07 v1(74.15,68.79)
DP0_TXD0_N1: length 1.5
  TOP w0.109: R199.1 77.16,68.77 L18.4 C226.2
DP0_TXD0_N_CON: length 15.3
  TOP w0.109: J13.B3 87.56,62.23 86.15,62.23 84.01,64.37 84.01,68.36 83.66,68.71 82.92,68.71 82.79,68.59 D57.9 D57.2 80.58,68.59 80.45,68.71 80.13,68.71 79.74,69.1 79.49,69.1 79.16,68.77 L18.3 78.54,68.77 R199.2
DP0_TXD0_P: length 73.1
  TOP w0.109: v1(12.01,78.09) 11.74,78.36 11.49,78.36 11.43,78.36 11.31,78.24 J5.41 ; v1(74.15,69.59) 74.43,69.31 74.91,69.31 75.21,69.61 C225.1
  BOTTOM w0.109: v1(74.15,69.59) 74.43,69.31 74.77,69.31 75.09,68.99 75.09,68.28 74.7,67.89 71.15,67.89 70.06,68.97 56.42,68.97 47.03,78.36 12.29,78.36 v1(12.01,78.09)
DP0_TXD0_P1: length 1.5
  TOP w0.109: C225.2 76.58,69.61 76.59,69.62 L18.1 77.16,69.63 R196.1
DP0_TXD0_P_CON: length 15.2
  TOP w0.109: R196.2 78.55,69.62 L18.2 79.19,69.62 79.47,69.34 79.85,69.34 80.23,68.96 80.45,68.96 80.58,69.09 D57.1 D57.10 82.79,69.09 82.92,68.96 83.76,68.96 84.26,68.46 84.26,64.47 86.26,62.48 87.56,62.48 J13.B1
DP0_TXD1_N: length 73.2
  TOP w0.109: C229.1 75.21,66.43 74.91,66.73 74.86,66.73 74.43,66.73 v1(74.15,66.45) ; v1(12.01,77.39) 11.74,77.11 11.43,77.11 11.31,77.24 J5.45
  BOTTOM w0.109: v1(74.15,66.45) 74.43,66.73 74.68,66.73 74.79,66.62 74.79,66.05 74.56,65.81 72.92,65.81 72.76,65.97 72.48,65.97 72.32,65.81 71.77,65.81 71.41,66.18 71.41,66.48 71.25,66.64 70.95,66.64 70.79,66.79 70.79,67.1 70.63,67.26 70.33,67.26 70.17,67.41 70.17,67.72 70.01,67.87 69.71,67.87 69.5,68.08 55.55,68.08 46.51,77.11 12.29,77.11 v1(12.01,77.39)
DP0_TXD1_N1: length 1.5
  TOP w0.109: R202.1 77.16,66.43 L19.4 C229.2
DP0_TXD1_N_CON: length 22.9
  TOP w0.109: R202.2 78.54,66.43 L19.3 79.19,66.43 79.49,66.73 79.76,66.73 80.24,67.21 80.45,67.21 80.58,67.09 D57.5 D57.6 82.54,67.09 82.68,67.22 82.81,67.22 v1(83.08,66.95) ; v1(85.63,68.55) 85.37,68.29 85.37,64.68 86.06,63.99 89.85,63.99 90.96,62.88 90.96,60.81 90.58,60.43 90.11,60.43 J13.B6
  LYR3 w0.089: v1(83.08,66.95) 83.36,67.23 84.02,67.23 84.05,67.25 84.35,67.25 84.38,67.23 84.94,67.23 85.37,67.66 85.37,68.28 v1(85.63,68.55)
DP0_TXD1_P: length 73.4
  TOP w0.109: C227.1 75.21,67.27 74.91,66.98 74.76,66.98 74.76,66.98 74.43,66.98 v1(74.15,67.25) ; J5.47 11.31,76.74 11.43,76.86 11.74,76.86 v1(12.01,76.59)
  BOTTOM w0.109: v1(12.01,76.59) 12.29,76.86 46.41,76.86 55.44,67.83 69.4,67.83 71.67,65.56 74.66,65.56 75.04,65.95 75.04,66.72 74.79,66.98 74.43,66.98 v1(74.15,67.25)
DP0_TXD1_P1: length 1.5
  TOP w0.109: R200.1 77.16,67.29 L19.1 76.59,67.28 76.58,67.27 C227.2
DP0_TXD1_P_CON: length 22.9
  TOP w0.109: R200.2 78.55,67.28 L19.2 79.16,67.28 79.47,66.98 79.66,66.98 80.14,67.46 80.45,67.46 80.58,67.59 D57.4 D57.7 82.54,67.59 82.65,67.47 82.81,67.47 v1(83.08,67.75) ; v1(84.86,68.55) 85.12,68.29 85.12,64.58 85.96,63.73 89.75,63.73 90.71,62.77 90.71,62.26 90.6,62.15 90.49,62.15 90.38,62.05 90.38,61.83 90.49,61.72 90.6,61.72 90.71,61.61 90.71,60.92 90.47,60.68 90.11,60.68 J13.B4
  LYR3 w0.089: v1(83.08,67.75) 83.39,67.44 83.93,67.44 84.02,67.53 84.02,67.63 84.11,67.72 84.29,67.72 84.38,67.63 84.38,67.53 84.47,67.44 84.85,67.44 85.15,67.75 85.15,68.26 v1(84.86,68.55)
DP0_TXD2_N: length 73.7
  TOP w0.109: J5.51 11.31,75.74 11.43,75.61 11.74,75.61 v1(12.01,75.89) ; C231.1 75.21,64.15 74.9,64.46 74.85,64.46 74.42,64.46 v1(74.14,64.18)
  BOTTOM w0.109: v1(74.14,64.18) 74.42,64.46 74.66,64.46 74.77,64.35 74.77,63.68 74.5,63.42 72.1,63.42 71.39,64.13 71.39,64.44 71.24,64.6 70.93,64.6 70.77,64.75 70.77,65.06 70.62,65.21 70.31,65.21 70.16,65.37 70.16,65.68 70,65.83 69.69,65.83 69.54,65.99 69.54,66.29 69.38,66.45 69.08,66.45 68.56,66.96 54.54,66.96 45.89,75.61 12.29,75.61 v1(12.01,75.89)
DP0_TXD2_N1: length 1.5
  TOP w0.109: C231.2 L20.4 77.16,64.14 R204.1
DP0_TXD2_N_CON: length 13.7
  TOP w0.109: R204.2 78.54,64.15 L20.3 79.19,64.15 79.49,64.45 79.85,64.45 80.02,64.28 80.45,64.28 80.58,64.15 D58.2 D58.9 82.54,64.15 82.67,64.28 82.84,64.28 86.67,60.44 86.67,58.61 87.05,58.23 87.56,58.23 J13.B9
DP0_TXD2_P: length 73.8
  TOP w0.109: v1(12.01,75.09) 11.74,75.36 11.43,75.36 11.31,75.24 J5.53 ; C230.1 75.21,65.01 74.9,64.7 74.74,64.7 74.42,64.7 v1(74.14,64.98)
  BOTTOM w0.109: v1(74.14,64.98) 74.42,64.7 74.76,64.7 75.01,64.45 75.01,63.58 74.61,63.17 72,63.17 68.46,66.71 54.44,66.71 45.79,75.36 12.29,75.36 v1(12.01,75.09)
DP0_TXD2_P1: length 1.5
  TOP w0.109: C230.2 76.58,65.01 76.59,65 L20.1 77.16,65.01 R203.1